# Altium PCB PCB2.PcbDoc
Units mm, origin at the board's own origin, x right, y up, seen from the top; angles counter-clockwise.
Board outline 152.4 x 101.6 mm, 2 copper layers (Top Layer, Bottom Layer); 126 components, 88 nets, 447 pads, 1 vias.
Unrouted connection lines stored in the file: 285.
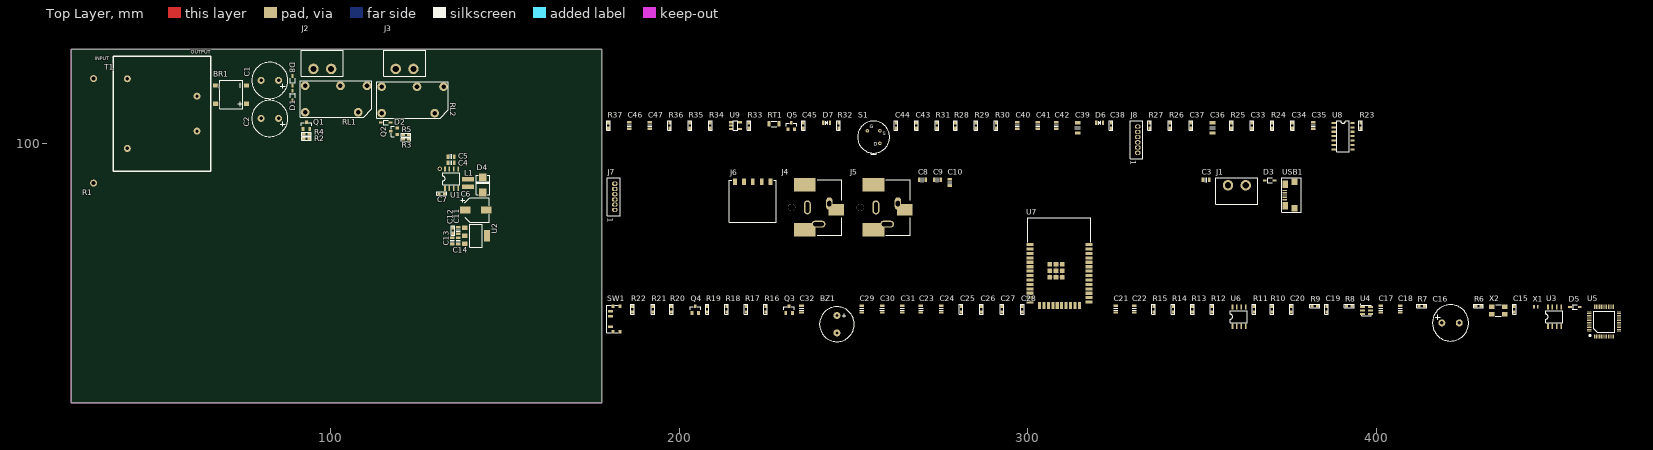
[diagram p0: Top Layer view]
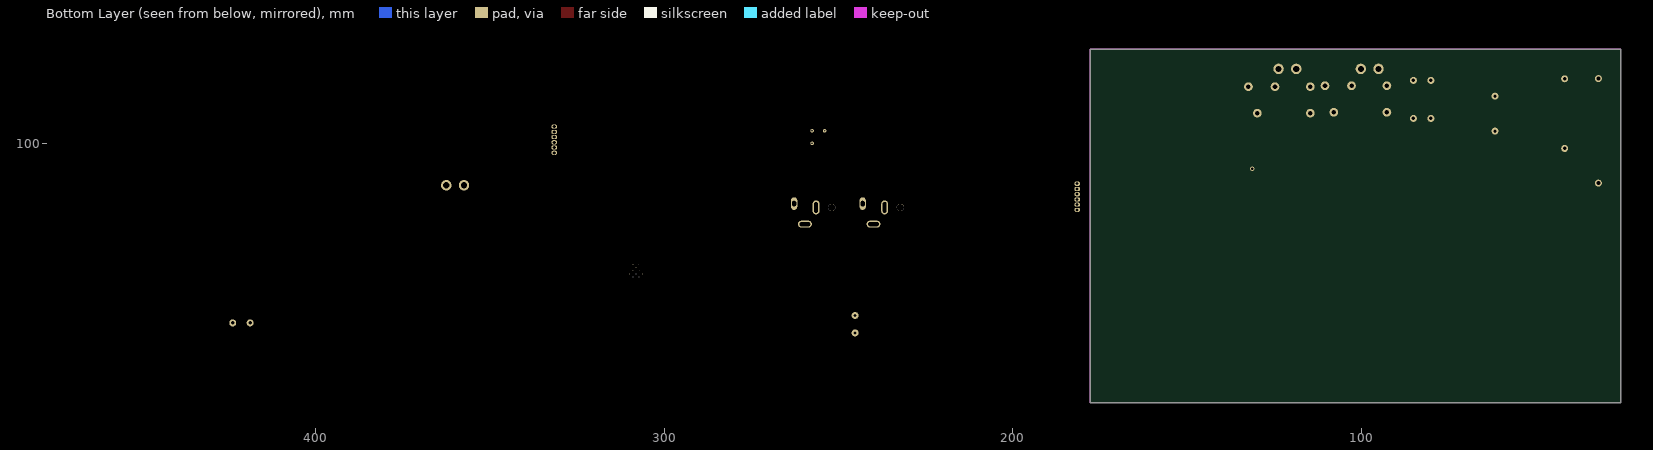
[diagram p1: Bottom Layer view, seen from below]

## Layer stack, top to bottom
Top Solder: solder mask 0.0102, Solder Resist, Dk 3.5
Top Layer: signal copper 0.0356
Dielectric 1: dielectric 0.32, FR-4, Dk 4.8
Bottom Layer: signal copper 0.0356
Bottom Solder: solder mask 0.0102, Solder Resist, Dk 3.5

## Board outline
25.4,25.4 177.8,25.4 177.8,127 25.4,127

## Design rules (kind name [scope] priority, off if disabled: settings)
Clearance [All] p1: gap=0.254 ignorepadtopadclearanceinfootprint=FALSE except(0: Arc-Hole Track-Hole SMDPad-Hole THPad-Hole Via-Hole Fill-Hole Poly-Hole Region-Hole Text-Hole)
DiffPairsRouting [All] p1: maxlimit=0.254 minlimit=0.254 mostfreqgap=0.254 toplayer_minwidth=0.381 toplayer_maxwidth=0.381 toplayer_prefwidth=0.381 bottomlayer_minwidth=0.381 bottomlayer_maxwidth=0.381 bottomlayer_prefwidth=0.381 maxuncoupledlength=12.7
PolygonConnect [All] p1: connectstyle=Relief reliefconductorwidth=0.254 reliefentries=4 polygonreliefangle="90 Angle" airgapwidth=0.254
RoutingVias [All] p1: holewidth=0.711 width=1.27 viastyle="Through Hole" minholewidth=0.711 minwidth=1.27 maxholewidth=0.711 maxwidth=1.27
SolderMaskExpansion [All] p1: expansion=0.102 istentingtop=FALSE
Width [All] p1: maxlimit=0.254 minlimit=0.254 preferedwidth=0.254
29 further rules are at their usual default settings.

## Classes and differential pairs
component class "BPSensor Board": C33 C34 C35 C36 C37 C38 C39 C40 C41 C42 C43 C44 C45 C46 C47 D6 D7 J8 Q5 R23 R24 R25 R26 R27 R28 R29 R30 R31 R32 R33 R34 R35 R36 R37 RT1 S1 U8 U9
component class "BPPower Management": BR1 C1 C2 C3 C4 C5 C6 C7 C8 C9 C10 C11 C12 C13 C14 D1 D2 D3 D4 D8 F1 J1 J2 J3 J4 J5 J6 J7 L1 Q1 Q2 R1 R2 R3 R4 R5 RL1 RL2 T1 U1 U2 USB1
component class BPMicrocontroller: BZ1 C15 C16 C17 C18 C19 C20 C21 C22 C23 C24 C25 C26 C27 C28 C29 C30 C31 C32 D5 Q3 Q4 R6 R7 R8 R9 R10 R11 R12 R13 R14 R15 R16 R17 R18 R19 R20 R21 R22 SW1 U3 U4 U5 U6 U7 X1 X2
differential pair USB: +USB_P -USB_N
differential pair MCU: +MCU_P -MCU_N

## Components (designator, comment, footprint, x,y, rotation, side; value= is the part's Value field where it differs from the comment)
BR1 "DB105STR" DB105STR 71.374,113.919 r270 top
BZ1 "CMI-9605IC-0580T" CMI-9605IC 245.237,48.006 r0 top
C1 "ESH477M050AH4AA" CAP_RADIAL_D10_P5 82.463,117.983 r180 top
C2 "ESH477M050AH4AA" CAP_RADIAL_D10_P5 82.463,107.061 r180 top
C3 "CL21A475KAQNNNE" CAP_0805 351.155,89.408 r0 top
C4 "CL21B105KBFNNNE" CAP_0805 134.493,94.361 r180 top
C5 "CL21B104KBCNNNC" CAP_0805 134.493,96.139 r180 top
C6 "EEV686M035A9HAA" CAP_EEVseries 141.605,80.772 r0 top
C7 "0603B103K160CT" CAP_0603 131.826,85.471 r180 top
C8 "CL21A475KAQNNNE" CAP_0805 269.748,89.408 r0 top
C9 "CL21A475KAQNNNE" CAP_0805 274.066,89.408 r0 top
C10 "CL21B105KBFNNNE" CAP_0805 277.622,88.646 r90 top
C11 "CL21B105KBFNNNE" CAP_0805 136.525,74.93 r90 top
C12 "C0603C104K5RACTU" CAP_0603 135.001,74.93 r90 top
C13 "CL21A475KAQNNNE" CAP_0805 134.874,71.882 r270 top
C14 "CL21B105KBFNNNE" CAP_0805 136.525,71.882 r270 top
C15 "CL10C200JB8NNNC" CAP_0603 439.674,52.324 r90 top
C16 "ESH477M050AH4AA" CAP_RADIAL_D10_P5 421.386,48.387 r0 top
C17 "CL21B104KBCNNNC" CAP_0805 401.32,52.324 r90 top
C18 "CL21B105KBFNNNE" CAP_0805 406.908,52.324 r90 top
C19 "CL10C200JB8NNNC" CAP_0603 385.826,52.324 r90 top
C20 "C0603C104K5RACTU" CAP_0603 375.666,52.324 r90 top
C21 "CL21B105KBFNNNE" CAP_0805 325.247,52.324 r90 top
C22 "CL21B104KBCNNNC" CAP_0805 330.581,52.324 r90 top
C23 "CL21A475KAQNNNE" CAP_0805 269.367,52.324 r90 top
C24 "CL21B105KBFNNNE" CAP_0805 275.209,52.324 r90 top
C25 "C0603C104K5RACTU" CAP_0603 280.924,52.324 r90 top
C26 "C0603C104K5RACTU" CAP_0603 286.766,52.324 r90 top
C27 "C0603C104K5RACTU" CAP_0603 292.608,52.324 r90 top
C28 "C0603C104K5RACTU" CAP_0603 298.45,52.324 r90 top
C29 "CL21A475KAQNNNE" CAP_0805 252.349,52.324 r90 top
C30 "CL21B105KBFNNNE" CAP_0805 258.191,52.324 r90 top
C31 "CL21B104KBCNNNC" CAP_0805 264.033,52.324 r90 top
C32 "CL21B104KBCNNNC" CAP_0805 235.077,52.324 r90 top
C33 "0603B103K160CT" CAP_0603 364.363,105.029 r90 top
C34 "C0603C104K5RACTU" CAP_0603 376.047,105.029 r90 top
C35 "CL21B105KBFNNNE" CAP_0805 382.016,105.029 r90 top
C36 "C3216X5R1E336M160AC" CAP_1206 353.06,104.394 r90 top
C37 "C0603C104K5RACTU" CAP_0603 346.837,105.029 r90 top
C38 "0603B103K160CT" CAP_0603 323.977,105.029 r90 top
C39 "C3216X5R1E336M160AC" CAP_1206 314.325,104.394 r90 top
C40 "CL21A475KAQNNNE" CAP_0805 297.053,105.029 r90 top
C41 "CL21A475KAQNNNE" CAP_0805 302.895,105.029 r90 top
C42 "CL21B105KBFNNNE" CAP_0805 308.229,105.029 r90 top
C43 "C0603C104K5RACTU" CAP_0603 268.097,105.029 r90 top
C44 "C0603C104K5RACTU" CAP_0603 262.255,105.029 r90 top
C45 "C0603C104K5RACTU" CAP_0603 235.585,105.029 r90 top
C46 "CL21A475KAQNNNE" CAP_0805 185.674,105.029 r90 top
C47 "CL21B105KBFNNNE" CAP_0805 191.516,105.029 r90 top
D1 "1N4148WS" SOD323F 89.027,113.665 r270 top
D2 "1N4148WS" SOD323F 115.697,105.918 r0 top
D3 "1N4148WS" SOD323F 369.443,89.281 r0 top
D4 "1SMB5919BT3G" SMB 143.637,88.011 r270 top
D5 "1N4148WS" SOD323F 457.073,52.959 r0 top
D6 "LTST-C171GKT" LED_GREEN_0805 320.675,105.791 r0 top
D7 "LH R974-LP-1" LED_RED_0805 242.316,105.791 r0 top
D8 "1N4148WS" SOD323F 89.027,117.856 r90 top
J1 "TBP01R1-508-02BE" TBP01R1-508 360.045,87.884 r0 top
J2 "TBP01R1-508-02BE" TBP01R1-508 97.536,121.285 r180 top
J3 "TBP01R1-508-02BE" TBP01R1-508 121.158,121.285 r180 top
J4 "PJ-037AH-SMT-TR" JACK 238.633,81.534 r0 top
J5 "PJ-037AH-SMT-TR" JACK 258.318,81.534 r0 top
J6 "SMH-105-02-L-S" PINHEADER1X5_RA 221.107,88.9 r0 top
J7 "64800611622" 64800611622 181.483,84.582 r90 top
J8 "64800611622" 64800611622 331.597,100.965 r90 top
L1 "78438335470" IND_1212 139.319,88.519 r270 top
Q1 "MMBT3904-7-F" SOT-23F 92.964,105.029 r0 top
Q2 "MMBT3904-7-F" SOT-23F 118.11,103.378 r90 top
Q3 "MMBT3904-7-F" SOT-23F 231.521,52.197 r0 top
Q4 "MMBT3904-7-F" SOT-23F 204.597,52.197 r0 top
Q5 "MMBT3904-7-F" SOT-23F 232.156,104.902 r0 top
R1 "5WD27" RES_AXIAL_W 31.877,103.505 r90 top
R2 "RC0603FR-0710KL" RES_0603 92.964,101.346 r180 top
R3 "RC0603FR-0710KL" RES_0603 121.539,101.092 r180 top
R4 "RC0603FR-0710KL" RES_0603 92.964,102.616 r180 top
R5 "RC0603FR-0710KL" RES_0603 121.539,102.362 r180 top
R6 "RC0603JR-0715RL" RES_0603 429.387,53.213 r0 top
R7 "RC0603JR-0715RL" RES_0603 413.131,53.213 r0 top
R8 "RC0603JR-07100RL" RES_0603 392.303,53.213 r0 top
R9 "RC0603JR-07100RL" RES_0603 382.397,53.213 r0 top
R10 "RC0603JR-07100RL" RES_0603 370.078,52.324 r90 top
R11 "RC0603JR-07100RL" RES_0603 364.998,52.324 r90 top
R12 "RC0603JR-07100RL" RES_0603 352.933,52.324 r90 top
R13 "RC0603JR-07100RL" RES_0603 347.345,52.324 r90 top
R14 "RC0603JR-07100RL" RES_0603 341.757,52.324 r90 top
R15 "RC0603JR-07100RL" RES_0603 336.169,52.324 r90 top
R16 "RC0603JR-07100RL" RES_0603 224.79,52.324 r90 top
R17 "RC0603JR-074K7L" RES_0603 219.202,52.324 r90 top
R18 "RC0603JR-074K7L" RES_0603 213.614,52.324 r90 top
R19 "RC0603FR-0710KL" RES_0603 208.026,52.324 r90 top
R20 "RC0603JR-07100RL" RES_0603 197.739,52.324 r90 top
R21 "RC0603JR-07100RL" RES_0603 192.405,52.324 r90 top
R22 "RC0603JR-07100RL" RES_0603 186.563,52.324 r90 top
R23 "RC0603JR-07560KL" RES_0603 395.605,105.029 r90 top
R24 "RC0603JR-07220KL" RES_0603 370.205,105.029 r90 top
R25 "RC0603FR-0710KL" RES_0603 358.521,105.029 r90 top
R26 "RC0603FR-0710KL" RES_0603 340.868,105.029 r90 top
R27 "RC0603JR-07560KL" RES_0603 335.026,105.029 r90 top
R28 "RC0603FR-0710KL" RES_0603 279.273,105.029 r90 top
R29 "RC0603JR-070RL" RES_0603 285.115,105.029 r90 top
R30 "RC0603JR-070RL" RES_0603 290.957,105.029 r90 top
R31 "RC0603JR-0743KL" RES_0603 273.939,105.029 r90 top
R32 "RC0603JR-07100RL" RES_0603 245.745,105.029 r90 top
R33 "RC0603FR-0710KL" RES_0603 219.964,105.029 r90 top
R34 "RC0603JR-07220KL" RES_0603 208.915,105.029 r90 top
R35 "RC0603FR-0710KL" RES_0603 203.073,105.029 r90 top
R36 "RC0603JR-07220KL" RES_0603 197.231,105.029 r90 top
R37 "RC0603FR-0710KL" RES_0603 179.705,105.029 r90 top
RL1 "ALQ112" ALQ112 101.473,112.649 r0 top
RL2 "ALQ112" ALQ112 123.444,112.395 r0 top
RT1 "TFPT1206L1002FM" RES_1206 227.203,105.537 r0 top
S1 "LHI 878/3902" "LHI 878" 255.778,101.727 r0 top
SW1 "EG1215AA" EG1215AA 181.991,49.53 r90 top
T1 "BV302S12010-ZU" BV302S 51.562,108.458 r90 top
U1 "LM2675MX-12/NOPB" SOIC8 134.62,89.789 r0 top
U2 "AP7361-33E-13" SOT223 141.605,73.406 r270 top
U3 "M41T00M6F" SOIC8 451.231,50.165 r0 top
U4 "USBLC6-2SC6" SOT23-6L 397.256,51.943 r0 top
U5 "STM32F103C6T6A" LQFP-48 465.455,48.768 r0 top
U6 "MAX6662" SOIC8 360.68,50.165 r0 top
U7 "ESP32-WROOM-32" ESP32-32 309.127,65.606 r0 top
U8 "NCS36000DRG" SOIC14 390.525,101.981 r0 top
U9 "OPA314AIDBVR" SOT23-5 216.154,105.029 r0 top
USB1 "10118192-0001LF" MICRO_B_USB 373.761,85.09 r90 top
X1 "ABS05-32.768KHZ-T" ABS05 445.897,53.086 r0 top
X2 "ECS-160-20-30B-TR" ECS 435.102,51.943 r0 top

## Footprints (in the part's own frame and the unit in brackets; to place one, negate y for a bottom-side part, rotate by r counter-clockwise, add the part's x,y. Pads: shape width x height; smd on the part's side, far side on the other; paste and mask are expansions set on the pad)
64800611622 [mm]
  oval 1.2x1.7 hole 0.87 mask+0.05: 1(-3.75,0) 2(-2.25,0) 3(-0.75,0) 4(0.75,0) 5(2.25,0) 6(3.75,0)
  silkscreen extent -5.4,-1.5 5.4,2.2, body extent -5.25,-1.4 5.25,2.1, height 4.75
ABS05 [mm]
  rect 0.5x1 smd mask+0.05: 1(-0.55,0) 2(0.55,0)
  body extent -0.8,-0.5 0.8,0.5, height 0.5
ALQ112 [mm]
  round 2.5 hole 1.3 mask+0.05: 1(6.35,-3.81) 2(1.27,3.81) 3(8.89,3.81) 4(-8.89,-3.81) 5(-8.89,3.81)
  silkscreen extent -10.3,-5.2 10.3,5.2, body extent -10,-4.98 10,5.02, height 15.6
BV302S [mm]
  round 2 hole 1 mask+0.05: 1(10,10) 5(-10,10) 7(-5,-10) 9(5,-10)
  silkscreen extent -16.5,-14 16.5,14, body extent -16.25,-13.75 16.25,13.75, height 21.8
CAP_0603 [mil]
  rect 38x31 smd mask+1.97: 1(-31.5,0) 2(31.5,0)
  silkscreen extent -55,-20 55,20, body extent -41,-22 41,18, height 31
CAP_0805 [mm]
  rect 0.7x1.3 smd mask+0.05: 1(-0.95,0) 2(0.95,0)
  silkscreen extent -0.25,-0.6 0.25,0.6, body extent -1.3,-0.68 1.3,0.68, height 0.9
CAP_1206 [mm]
  rect 0.9x1.6 smd mask+0.05: 1(-1.45,0) 2(1.45,0)
  silkscreen extent -0.3,-0.8 0.3,0.8, body extent -1.97,-0.98 1.97,0.98, height 1.3
CAP_EEVseries [mm]
  rect 3x2 smd mask+0.05: 1(-3,0) 2(3,0)
  silkscreen extent -4.35,-3.5 3.9,3.5, body extent -3.8,-3.4 3.8,3.4, height 8.01
CAP_RADIAL_D10_P5 [mm]
  round 2 hole 1 mask+0.05: 1(-2.5,0) 2(2.5,0)
  silkscreen extent -5.2,-5.2 5.2,5.2, body extent -5.25,-5.25 5.25,5.25, height 22.2
CMI-9605IC [mm]
  round 2 hole 0.8 mask+0.05: 1(0,2.5) 2(0,-2.5)
  silkscreen extent -5,-5 5,5, body extent -4.8,-4.8 4.8,5.8, height 5.2
DB105STR [mm]
  rect 1.2x1.55 smd mask+0.05: 1(-2.605,-4.4) 2(2.605,-4.4) 3(2.605,4.4) 4(-2.605,4.4)
  silkscreen extent -4.1,-3.3 4.1,3.3, body extent -4.16,-5.2 4.16,5.2, height 2.66
ECS [mm]
  rect 1.6x1.25 smd mask+0.05: 1(-1.85,-1.1) 2(1.85,-1.1) 3(1.85,1.1) 4(-1.85,1.1)
  silkscreen extent -0.9,-1.7 0.8,1.7, body extent -2.5,-1.6 2.5,1.6, height 0.85
EG1215AA [mm]
  rect 0.7x1.5 smd mask+0.05: 1(-2.25,1.75) 2(0.75,1.75) 3(2.25,1.75)
  rect 1x0.8 smd mask+0.05: ""(-3.65,-1) ""(-3.65,1) ""(3.65,-1) ""(3.65,1)
  round 0 hole 0.9 mask+0.05: ""(-1.5,0) ""(1.5,0)
  silkscreen extent -3.95,-0.45 3.95,2.75, body extent -3.85,-2.7 3.85,2.2, height 1.38
ESP32-32 [mm]
  rect 2x0.9 smd mask+0.05: 1(-8.5,5.26) 2(-8.5,3.99) 3(-8.5,2.72) 4(-8.5,1.45) 5(-8.5,0.18) 6(-8.5,-1.09) 7(-8.5,-2.36) 8(-8.5,-3.63) 9(-8.5,-4.9) 10(-8.5,-6.17) 11(-8.5,-7.44) 12(-8.5,-8.71) 13(-8.5,-9.98) 14(-8.5,-11.25) 25(8.5,-11.25) 26(8.5,-9.98) 27(8.5,-8.71) 28(8.5,-7.44) 29(8.5,-6.17) 30(8.5,-4.9) 31(8.5,-3.63) 32(8.5,-2.36) 33(8.5,-1.09) 34(8.5,0.18) 35(8.5,1.45) 36(8.5,2.72) 37(8.5,3.99) 38(8.5,5.26)
  rect 0.9x2 smd mask+0.05: 15(-5.715,-12.25) 16(-4.445,-12.25) 17(-3.175,-12.25) 18(-1.905,-12.25) 19(-0.635,-12.25) 20(0.635,-12.25) 21(1.905,-12.25) 22(3.175,-12.25) 23(4.445,-12.25) 24(5.715,-12.25)
  rect 1.33x1.33 smd mask+0.05: 39(-2.835,-4.075) 39(-2.835,-2.24) 39(-2.835,-0.405) 39(-1,-4.075) 39(-1,-2.24) 39(-1,-0.405) 39(0.835,-4.075) 39(0.835,-2.24) 39(0.835,-0.405)
  round 0.3 hole 0.2 mask+0.05: 39(-2.835,-3.157) 39(-2.835,-1.322) 39(-1.917,-4.075) 39(-1.917,-2.24) 39(-1.917,-0.405) 39(-1,-3.157) 39(-1,-1.322) 39(-0.082,-4.075) 39(-0.082,-2.24) 39(-0.082,-0.405) 39(0.835,-3.157) 39(0.835,-1.322)
  silkscreen extent -9.07,5.97 8.93,12.97, body extent -8.97,-12.6 8.93,12.8, height 2.61
IND_1212 [mm]
  rect 1.3x3.4 smd mask+0.05: 1(-1.05,0) 2(1.05,0)
  body extent -1.5,-1.5 1.5,1.5, height 1.2
JACK [mm]
  oval 1.8x3.6 hole 1.2 slot 1.5 at 90 deg: 1(4.425,1.1)
  rect 4.4x3.3 smd: 1(6.375,-0.65)
  rect 6.2x3.9 smd: 2(-2.575,6.45) 3(-2.575,-6.45)
  oval 2x4 hole 1 slot 3 at 90 deg: 2(-1.875,0)
  oval 4x2 hole 1.2 slot 3 at 0 deg: 3(1.325,-4.8)
  round 2.1 hole 2.1 unplated: ""(-6.375,0)
  silkscreen extent 1,-8 8,8, body extent -9.48,-7.75 7.62,7.45, height 11.1
LED_GREEN_0805 [mm]
  rect 0.7x1.3 smd mask+0.05: 1(-0.95,0) 2(0.95,0)
  silkscreen extent -0.3,-0.6 0.3,0.6, body extent -1.01,-0.62 1.01,0.62, height 1.1
LED_RED_0805 [mm]
  rect 0.7x1.3 smd mask+0.05: 1(-0.95,0) 2(0.95,0)
  silkscreen extent -0.3,-0.6 0.3,0.6, body extent -1.01,-0.63 1.01,0.62, height 1.1
"LHI 878" [mm]
  round 1 hole 0.5 mask+0.05: 1(1.8,-1.8) 2(1.8,1.8) 3(-1.8,1.8)
  silkscreen extent -4.6,-5 4.6,4.6, body extent -4.6,-5.03 4.6,4.6, height 4.6
LQFP-48 [mm] "7mm x 7mm"
  rect 0.3x1.2 smd mask+0.05: 1(-2.75,-4.25) 2(-2.25,-4.25) 3(-1.75,-4.25) 4(-1.25,-4.25) 5(-0.75,-4.25) 6(-0.25,-4.25) 7(0.25,-4.25) 8(0.75,-4.25) 9(1.25,-4.25) 10(1.75,-4.25) 11(2.25,-4.25) 12(2.75,-4.25) 25(2.75,4.25) 26(2.25,4.25) 27(1.75,4.25) 28(1.25,4.25) 29(0.75,4.25) 30(0.25,4.25) 31(-0.25,4.25) 32(-0.75,4.25) 33(-1.25,4.25) 34(-1.75,4.25) 35(-2.25,4.25) 36(-2.75,4.25)
  rect 1.2x0.3 smd mask+0.05: 13(4.25,-2.75) 14(4.25,-2.25) 15(4.25,-1.75) 16(4.25,-1.25) 17(4.25,-0.75) 18(4.25,-0.25) 19(4.25,0.25) 20(4.25,0.75) 21(4.25,1.25) 22(4.25,1.75) 23(4.25,2.25) 24(4.25,2.75) 37(-4.25,2.75) 38(-4.25,2.25) 39(-4.25,1.75) 40(-4.25,1.25) 41(-4.25,0.75) 42(-4.25,0.25) 43(-4.25,-0.25) 44(-4.25,-0.75) 45(-4.25,-1.25) 46(-4.25,-1.75) 47(-4.25,-2.25) 48(-4.25,-2.75)
  silkscreen extent -4.2,-4.2 3,3, body extent -4.45,-4.45 4.55,4.55, height 1.5
MICRO_B_USB [mm]
  rect 0.4x1.35 smd mask+0.05: 1(1.3,0) 2(0.65,0) 3(0,0) 4(-0.65,0) 5(-1.3,0)
  rect 1.9x1.8 smd mask+0.05: ""(-3.8,-2.85) ""(3.8,-2.85)
  rect 2.1x1.6 smd mask+0.05: ""(-3.1,-0.122) ""(3.1,-0.122)
  silkscreen extent -4.9,-4.7 4.9,0.9, body extent -3.96,-5.46 3.96,0.2, height 2.79
PINHEADER1X5_RA [mm]
  rect 1.1x2 smd mask+0.05: 1(-5.08,0) 2(-2.54,0) 3(0,0) 4(2.54,0) 5(5.08,0)
  silkscreen extent -6.7,-11.6 6.7,0.5, body extent -6.6,-11.51 6.6,0.43, height 2.41
RES_0603 [mil]
  rect 38x31 smd mask+1.97: 1(-31.5,0) 2(31.5,0)
  silkscreen extent -55,-20 55,20, body extent -39,-19 39,20, height 17
RES_1206 [mm]
  rect 0.9x1.6 smd mask+0.05: 1(-1.45,0) 2(1.45,0)
  silkscreen extent -0.75,-0.8 0.75,0.8, body extent -1.98,-0.94 1.98,0.94, height 0.55
RES_AXIAL_W [mm]
  round 2 hole 1.1 mask+0.05: 1(-15,0) 2(15,0)
  body extent -15.4,-4.83 15.4,4.83, height 9.65
SMB [mm]
  rect 2.25x2.12 smd mask+0.05: A(2.185,0) C(-2.185,0)
  silkscreen extent -2.8,-1.9 2.8,1.9, body extent -2.72,-1.78 2.72,1.78, height 2.44
SOD323F [mm]
  rect 1.05x0.55 smd mask+0.05: 1(-1.4,0) 2(1.4,0)
  silkscreen extent -0.7,-0.7 0.7,0.7, body extent -1.25,-0.67 1.25,0.68, height 1
SOIC8 [mm]
  rect 0.5x1.5 smd mask+0.05: 1(-1.905,-2.75) 2(-0.635,-2.75) 3(0.635,-2.75) 4(1.905,-2.75) 5(1.905,2.75) 6(0.635,2.75) 7(-0.635,2.75) 8(-1.905,2.75)
  silkscreen extent -2.5,-1.7 2.4,1.7, body extent -2.45,-3 2.45,3, height 1.75
SOIC14 [mm]
  rect 1.18x0.58 smd mask+0.05: 1(-2.66,3.81) 2(-2.66,2.54) 3(-2.66,1.27) 4(-2.66,0) 5(-2.66,-1.27) 6(-2.66,-2.54) 7(-2.66,-3.81) 8(2.66,-3.81) 9(2.66,-2.54) 10(2.66,-1.27) 11(2.66,0) 12(2.66,1.27) 13(2.66,2.54) 14(2.66,3.81)
  silkscreen extent -1.8,-4.5 1.8,4.4, body extent -3,-4.4 3,4.4, height 1.7
SOT23-5 [mm]
  rect 1.1x0.6 smd mask+0.05: 1(-1.3,0.95) 2(-1.3,0) 3(-1.3,-0.95) 4(1.3,-0.95) 5(1.3,0.95)
  silkscreen extent -0.6,-1.4 0.6,1.4, body extent -1.4,-1.45 1.4,1.45, height 1.45
SOT23-6L [mm]
  rect 1.36x0.6 smd mask+0.05: 1(-1.175,0.95) 2(-1.175,0) 3(-1.175,-0.95) 4(1.175,-0.95) 5(1.175,0) 6(1.175,0.95)
  silkscreen extent -1.8,-1.5 1.4,1.8, body extent -1.4,-1.46 1.4,1.46, height 1.45
SOT223 [mm]
  rect 1.2x1.6 smd mask+0.05: 1(-2.3,-3.2) 2(0,-3.2) 3(2.3,-3.2)
  rect 3.3x1.6 smd mask+0.05: 2(0,3.2)
  silkscreen extent -3.3,-1.8 3.3,1.8, body extent -3.25,-3.48 3.25,3.48, height 1.65
SOT-23F [mm]
  rect 0.8x1.1 smd mask+0.05: 1(-0.95,-0.945) 2(0.95,-0.945) 3(0,0.945)
  silkscreen extent -1.5,-0.1 1.5,0.8, body extent -1.5,-1.42 1.5,1.42, height 1.2
TBP01R1-508 [mm]
  round 3 hole 1.75 mask+0.05: 1(-2.54,0) 2(2.54,0)
  silkscreen extent -6,-5.4 6,2.1, body extent -5.88,-10 5.88,2, height 8.55

## Part data
BR1: "Bridge Diode AC-DC", Manufacturer="Sangdest Microelectronics", Max Current=1A, Operating Voltage=600V, Supplier Part Number 1=1655-1821-1-ND, Designed by=BERK, Manufacturer Part Number=DB105STR, RoHS=No, Supplier 1=Digi-Key
BZ1: "Buzzers Indicator, Internally Driven Magnetic 5V 30mA 2.7kHz 80dB @ 5V, 10cm Through Hole PC Pins", Case/Package=CMI-9605IC, Manufacturer="CUI Devices", Supplier Part Number 1=2223-CMI-9605IC-0580T-ND, Designed by=BERK, Manufacturer Part Number=CMI-9605IC-0580T, Pricing 1="1=1,41000, 10=1,17900, 25=1,09080, 50=1,02680, 100=0,96490, 500=0,83018, 1000=0,77805 (USD)", RoHS=No, Stock 1=1663, Supplier 1=Digi-Key
C1 C2 C16: library part "CAP ALU ELEC 470uF 50V", "CAP ALU ELEC 470uF 50V RADIAL", Capacitance=470uF, Case/Package=Radial, Manufacturer=KEMET, Max Operating Temperature=105°C, Min Operating Temperature=-40°C, Supplier Part Number 1=399-15683-ND, Tolerance=20%, Voltage Rating=50V, ComponentLink1Description=https://api.kemet.com/component-edge/download/datasheet/ESH477M050AH4AA.pdf?src-supplier=Digi-Key, ComponentLink1URL=https://api.kemet.com/component-edge/download/datasheet/ESH477M050AH4AA.pdf?src-supplier=Digi-Key, Designed by=BERK, Life (Hours)=2000Hour, Manufacturer Part Number=ESH477M050AH4AA, Mount="Through Hole", Packaging=Bulk, Polarity=Polar, Pricing 1="1=0,59000, 10=0,41700, 50=0,31540, 100=0,27470, 500=0,20350, 1000=0,17298, 2500=0,16280, 5000=0,15262 (USD)", RoHS=No, RoHS Compliant=No, Stock 1=1181, Supplier 1=Digi-Key
C3 C8 C9 C13 C23 C29 C40 C41 C46: library part "CAP CER 4.7uF 0805", "CAP CER 4.7uF %10 0805", Capacitance=4.7uF, Case Code (Metric)=2012, Case Code (Imperial)=0805, Dielectric=X5R, Manufacturer=Samsung, Max Operating Temperature=85°C, Min Operating Temperature=-55°C, Package Quantity=1, Supplier Part Number 1=1276-1244-1-ND, Tolerance=10%, Voltage Rating=25V, Case/Package=0805, Category="Ceramic Capacitors", ComponentLink1Description=https://datasheet.ciiva.com/25798/cl21a475kaqnnne-25798882.pdf?src-supplier=Digi-Key, ComponentLink1URL=https://datasheet.ciiva.com/25798/cl21a475kaqnnne-25798882.pdf?src-supplier=Digi-Key, Construction=Flat, Depth=1.25mm, Designed by=BERK, Height=1.25mm, Lead Free="Lead Free", Length=2mm, Manufacturer Part Number=CL21A475KAQNNNE, Mount="Surface Mount", Packaging="Tape and Reel", Pricing 1="1=0,11000, 10=0,08100, 50=0,04580, 100=0,03800, 500=0,02664, 1000=0,02205 (USD)", Radiation Hardening=No, RoHS=Yes, RoHS Compliant=Yes, Series=CL, Stock 1=1477018, Supplier 1=Digi-Key, Thickness=0.055inch, Voltage Rating (DC)=25V, Width=0.049inch
C4 C10 C11 C14 C18 C21 C24 C30 C35 C42 C47: library part "CAP CER 1uF 0805", "CAP CER 1uF %10 0805", Capacitance=1uF, Case Code (Metric)=2012, Case Code (Imperial)=0805, Dielectric=X7R, Manufacturer=Samsung, Max Operating Temperature=125°C, Min Operating Temperature=-55°C, Package Quantity=1, Supplier Part Number 1=1276-1029-2-ND, Tolerance=10%, Voltage=50V, Case/Package=0805, Category="Ceramic Capacitors", ComponentLink1Description=https://datasheet.ciiva.com/25800/cl21b105kbfnnne-25800291.pdf?src-supplier=Digi-Key, ComponentLink1URL=https://datasheet.ciiva.com/25800/cl21b105kbfnnne-25800291.pdf?src-supplier=Digi-Key, ComponentLink2Description=https://datasheet.ciiva.com/16449/cl21b105kbfnnne-16449003.pdf?src-supplier=Future+Electronics, ComponentLink2URL=https://datasheet.ciiva.com/16449/cl21b105kbfnnne-16449003.pdf?src-supplier=Future+Electronics, ComponentLink3Description=https://datasheet.ciiva.com/26838/getdatasheetpartid-354075-26838668.pdf?src-supplier=Verical, ComponentLink3URL=https://datasheet.ciiva.com/26838/getdatasheetpartid-354075-26838668.pdf?src-supplier=Verical, Construction=Flat, Depth=1.25mm, Designed by=BERK, Height=1.25mm, Length=2mm, Manufacturer Part Number=CL21B105KBFNNNE, Mount="Surface Mount", Packaging="Tape and Reel", Pricing 1="2000=0,02138, 4000=0,01956 (USD)", Radiation Hardening=No, RoHS=Yes, RoHS Compliant=Yes, Series=CL, Stock 1=958000, Supplier 1=Digi-Key, Thickness=0.053inch, Voltage Rating=50V, Width=0.049inch
C5 C17 C22 C31 C32: library part "CAP CER 100nF 0805", "CAP CER 100nF %10 0805", Capacitance=100nF, Case Code (Metric)=2012, Case Code (Imperial)=0805, Dielectric=X7R, Manufacturer=Samsung, Max Operating Temperature=125°C, Min Operating Temperature=-55°C, Supplier Part Number 1=1276-1003-1-ND, Tolerance=10%, Voltage=50V, Case/Package=0805, Category="Ceramic Capacitors", ComponentLink1Description=https://datasheet.ciiva.com/25710/cl21b104kbcnnnc-25710182.pdf?src-supplier=Digi-Key, ComponentLink1URL=https://datasheet.ciiva.com/25710/cl21b104kbcnnnc-25710182.pdf?src-supplier=Digi-Key, ComponentLink2Description=https://datasheet.ciiva.com/29199/454152-da-01-en-vs-kondensator-0805-29199814.pdf?src-supplier=Conrad, ComponentLink2URL=https://datasheet.ciiva.com/29199/454152-da-01-en-vs-kondensator-0805-29199814.pdf?src-supplier=Conrad, Construction=Flat, Contact Plating=Tin, Depth=1.25mm, Designed by=BERK, Height=0.85mm, Lead Free="Lead Free", Length=2mm, Manufacturer Part Number=CL21B104KBCNNNC, Material=Ceramic, Mount="Surface Mount", Packaging="Tape and Reel", Pricing 1="1=0,10000, 10=0,04700, 50=0,02560, 100=0,02090, 500=0,01494, 1000=0,01174 (USD)", Radiation Hardening=No, RoHS=Yes, RoHS Compliant=Yes, Series=CL, Stock 1=3371502, Supplier 1=Digi-Key, Thickness=0.037inch, Voltage Rating=50V, Voltage Rating (DC)=50V, Width=0.049inch
C6: library part "CAP ALU 68uF", "Cap Aluminum Lytic 68uF 35V 20% (6.3 X 7.7mm) SMD 280mA 2000h 105C T/R", Capacitance=68uF, Case/Package=Radial, Manufacturer=KEMET, Max Operating Temperature=105°C, Min Operating Temperature=-40°C, Package Quantity=1, Ripple Current=196mA, Supplier Part Number 1=399-6722-1-ND, Tolerance=20%, Voltage Rating=35V, Category="Aluminum Electrolytic Capacitors", ComponentLink1Description=https://datasheet.ciiva.com/5365/kem-a4002-eev-535332-5365784.pdf?src-supplier=Mouser, ComponentLink1URL=https://datasheet.ciiva.com/5365/kem-a4002-eev-535332-5365784.pdf?src-supplier=Mouser, Designator by=BERK, Height - Seated (Max)=0.315inch, Length=7.7mm, Life (Hours)=2000Hour, Manufacturer Part Number=EEV686M035A9HAA, Mount="Surface Mount", Packaging="Tape and Reel", Pricing 1="1=0,54000, 10=0,38000, 50=0,28740, 100=0,25040, 500=0,18546 (USD)", RoHS=Yes, RoHS Compliant=Yes, Series=EEV, Stock 1=543, Supplier 1=Digi-Key, Termination=SMD/SMT, Voltage Rating (DC)=35V, Impedance=340mR
C7 C33 C38: library part "CAP CER 10nF 0603", "CAP CER 10nF %10 0603", Capacitance=10nF, Case Code (Metric)=1608, Case Code (Imperial)=0603, Dielectric=X7R, Manufacturer="Walsin Technologies", Max Operating Temperature=125°C, Min Operating Temperature=-55°C, Supplier Part Number 1=1292-1384-1-ND, Tolerance=10%, Voltage Rating=16V, Case/Package=0603, Category="Ceramic Capacitors", ComponentLink1Description=http://www.farnell.com/datasheets/1958513.pdf?src-supplier=Farnell, ComponentLink1URL=http://www.farnell.com/datasheets/1958513.pdf?src-supplier=Farnell, ComponentLink2Description=http://components.arrow.com/part/dataview/0323_00656382?src-supplier=Arrow+Europe, ComponentLink2URL=http://components.arrow.com/part/dataview/0323_00656382?src-supplier=Arrow+Europe, ComponentLink3Description=http://www.farnell.com/datasheets/1958513.pdf?src-supplier=Element14, ComponentLink3URL=http://www.farnell.com/datasheets/1958513.pdf?src-supplier=Element14, ComponentLink4Description=http://www.passivecomponent.com/wp-content/uploads/2018/10/MLCC.pdf?src-supplier=Digi-Key, ComponentLink4URL=http://www.passivecomponent.com/wp-content/uploads/2018/10/MLCC.pdf?src-supplier=Digi-Key, Depth=0.8mm, Designed by=BERK, Length=1.6mm, Manufacturer Part Number=0603B103K160CT, Packaging="Tape and Reel", Pricing 1="1=0,10000, 10=0,03600, 50=0,01940, 100=0,01590, 500=0,01136, 1000=0,00892 (USD)", REACH SVHC=Unknown, RoHS=Yes, RoHS Compliant=Yes, Stock 1=102474, Supplier 1=Digi-Key, Voltage Rating (DC)=16V
C12 C20 C25 C26 C27 C28 C34 C37 C43 C44 C45: library part "CAP CER 100nF 0603", "CAP CER 100nF %10 0603 SMD", Capacitance=100nF, Case Code (Metric)=1608, Case Code (Imperial)=0603, Dielectric=X7R, Dielectric Material=Ceramic, Manufacturer=KEMET, Max Operating Temperature=125°C, Min Operating Temperature=-55°C, Package Quantity=1, Supplier Part Number 1=399-5089-1-ND, Tolerance=10%, Voltage=50V, Case/Package=0603, Category="Ceramic Capacitors", ComponentLink1Description=https://datasheet.ciiva.com/7823/kem-c1002-x7r-smd-7823591.pdf?src-supplier=Element14, ComponentLink1URL=https://datasheet.ciiva.com/7823/kem-c1002-x7r-smd-7823591.pdf?src-supplier=Element14, ComponentLink2Description=https://datasheet.ciiva.com/14602/70095383-14602583.pdf?src-supplier=Allied+Electronics, ComponentLink2URL=https://datasheet.ciiva.com/14602/70095383-14602583.pdf?src-supplier=Allied+Electronics, ComponentLink3Description=https://datasheet.ciiva.com/5999/kem-c1002-x7r-smd-5999400.pdf?src-supplier=Farnell, ComponentLink3URL=https://datasheet.ciiva.com/5999/kem-c1002-x7r-smd-5999400.pdf?src-supplier=Farnell, ComponentLink4Description=https://datasheet.ciiva.com/7823/kem-c1002-x7r-smd-7823592.pdf?src-supplier=Element14, ComponentLink4URL=https://datasheet.ciiva.com/7823/kem-c1002-x7r-smd-7823592.pdf?src-supplier=Element14, ComponentLink5Description=https://datasheet.ciiva.com/28645/1851736-28645640.pdf?src-supplier=Element14, ComponentLink5URL=https://datasheet.ciiva.com/28645/1851736-28645640.pdf?src-supplier=Element14, ComponentLink6Description=https://datasheet.ciiva.com/14585/70095383-14585209.pdf?src-supplier=Allied+Electronics, ComponentLink6URL=https://datasheet.ciiva.com/14585/70095383-14585209.pdf?src-supplier=Allied+Electronics, Contact Plating=Tin,Matte, Depth=0.8mm, Designed by=BERK, Dissipation Factor=2.5%, Height=0.8mm, Lead Pitch=0.7mm, Length=0.063inch, Manufacturer Part Number=C0603C104K5RACTU, Mount="Surface Mount", Number of Pins=2, Packaging="Tape and Reel", Pricing 1="1=0,12000, 10=0,08500, 50=0,04620, 100=0,03770, 500=0,02696, 1000=0,02118 (USD)", Radiation Hardening=No, REACH SVHC="No SVHC", RoHS=Yes, RoHS Compliant=Yes, Series="SMD Comm X7R", Stock 1=1666186, Supplier 1=Digi-Key, Termination=SMD/SMT, Thickness=0.034inch, Voltage Rating=50V, Voltage Rating (DC)=50V, Width=0.031inch
C15 C19: library part "CAP CER 20pF 0603", "CAP CER 20pF %5 0603 SMD", Capacitance=20pF, Case Code (Metric)=1608, Case Code (Imperial)=0603, Dielectric=C0G, Manufacturer=Samsung, Max Operating Temperature=125°C, Min Operating Temperature=-55°C, Package Quantity=1, Supplier Part Number 1=1276-1187-1-ND, Temperature Coefficient=300ppm/°C, Tolerance=5%, Voltage=50V, Case/Package=0603, Category="Ceramic Capacitors", ComponentLink1Description=https://datasheet.ciiva.com/26877/getdatasheetpartid-640634-26877974.pdf?src-supplier=Verical, ComponentLink1URL=https://datasheet.ciiva.com/26877/getdatasheetpartid-640634-26877974.pdf?src-supplier=Verical, ComponentLink2Description=https://datasheet.ciiva.com/26310/mlcc-catalogdownload2013-eng-26310315.pdf?src-supplier=Distrelec, ComponentLink2URL=https://datasheet.ciiva.com/26310/mlcc-catalogdownload2013-eng-26310315.pdf?src-supplier=Distrelec, Construction=Flat, Depth=0.8mm, Designed by=BERK, Height=0.8mm, Length=1.6mm, Manufacturer Part Number=CL10C200JB8NNNC, Mount="Surface Mount", Packaging="Tape and Reel", Pricing 1="1=0,10000, 10=0,04700, 50=0,02560, 100=0,02090, 500=0,01490, 1000=0,01171 (USD)", Radiation Hardening=No, RoHS=Yes, RoHS Compliant=Yes, Series=CL, Stock 1=765558, Supplier 1=Digi-Key, Thickness=0.035inch, Voltage Rating=50V, Width=0.031inch
C36 C39: library part "CAP CER 33uF 1206", "CAP CER 33uF %20 1206 SMD", Capacitance=33uF, Case Code (Metric)=3216, Case Code (Imperial)=1206, Dielectric=X5R, Dielectric Material=Ceramic, Manufacturer=TDK, Max Operating Temperature=85°C, Min Operating Temperature=-55°C, Package Quantity=1, Supplier Part Number 1=445-8046-1-ND, Tolerance=20%, Voltage Rating=25V, Case/Package=1206, Category="Ceramic Capacitors", ComponentLink1Description=https://datasheet.ciiva.com/24216/c3216x5r1e336m160ac-265051-24216512.pdf?src-supplier=Mouser, ComponentLink1URL=https://datasheet.ciiva.com/24216/c3216x5r1e336m160ac-265051-24216512.pdf?src-supplier=Mouser, ComponentLink2Description=https://datasheet.ciiva.com/6285/tdkmlcccaprange-6285278.pdf?src-supplier=Digi-Key, ComponentLink2URL=https://datasheet.ciiva.com/6285/tdkmlcccaprange-6285278.pdf?src-supplier=Digi-Key, Depth=1.6mm, Designed by=BERK, Lead Free="Lead Free", Length=3.2mm, Manufacturer Part Number=C3216X5R1E336M160AC, Mount="Surface Mount", Packaging="Tape and Reel", Pricing 1="1=1,04000, 10=0,82500, 50=0,71500, 100=0,61880, 500=0,46750, 1000=0,41250 (USD)", REACH SVHC="No SVHC", Resistor Type=Ceramic, RoHS=Yes, RoHS Compliant=Yes, Series=C, Stock 1=149381, Supplier 1=Digi-Key, Termination=SMD/SMT, Thickness=1.6mm, Voltage Rating (DC)=25V, Weight=0.000571oz, Width=0.063inch